# KiCad board Bongo-Cat-Fidget-Toy-panel.kicad_pcb
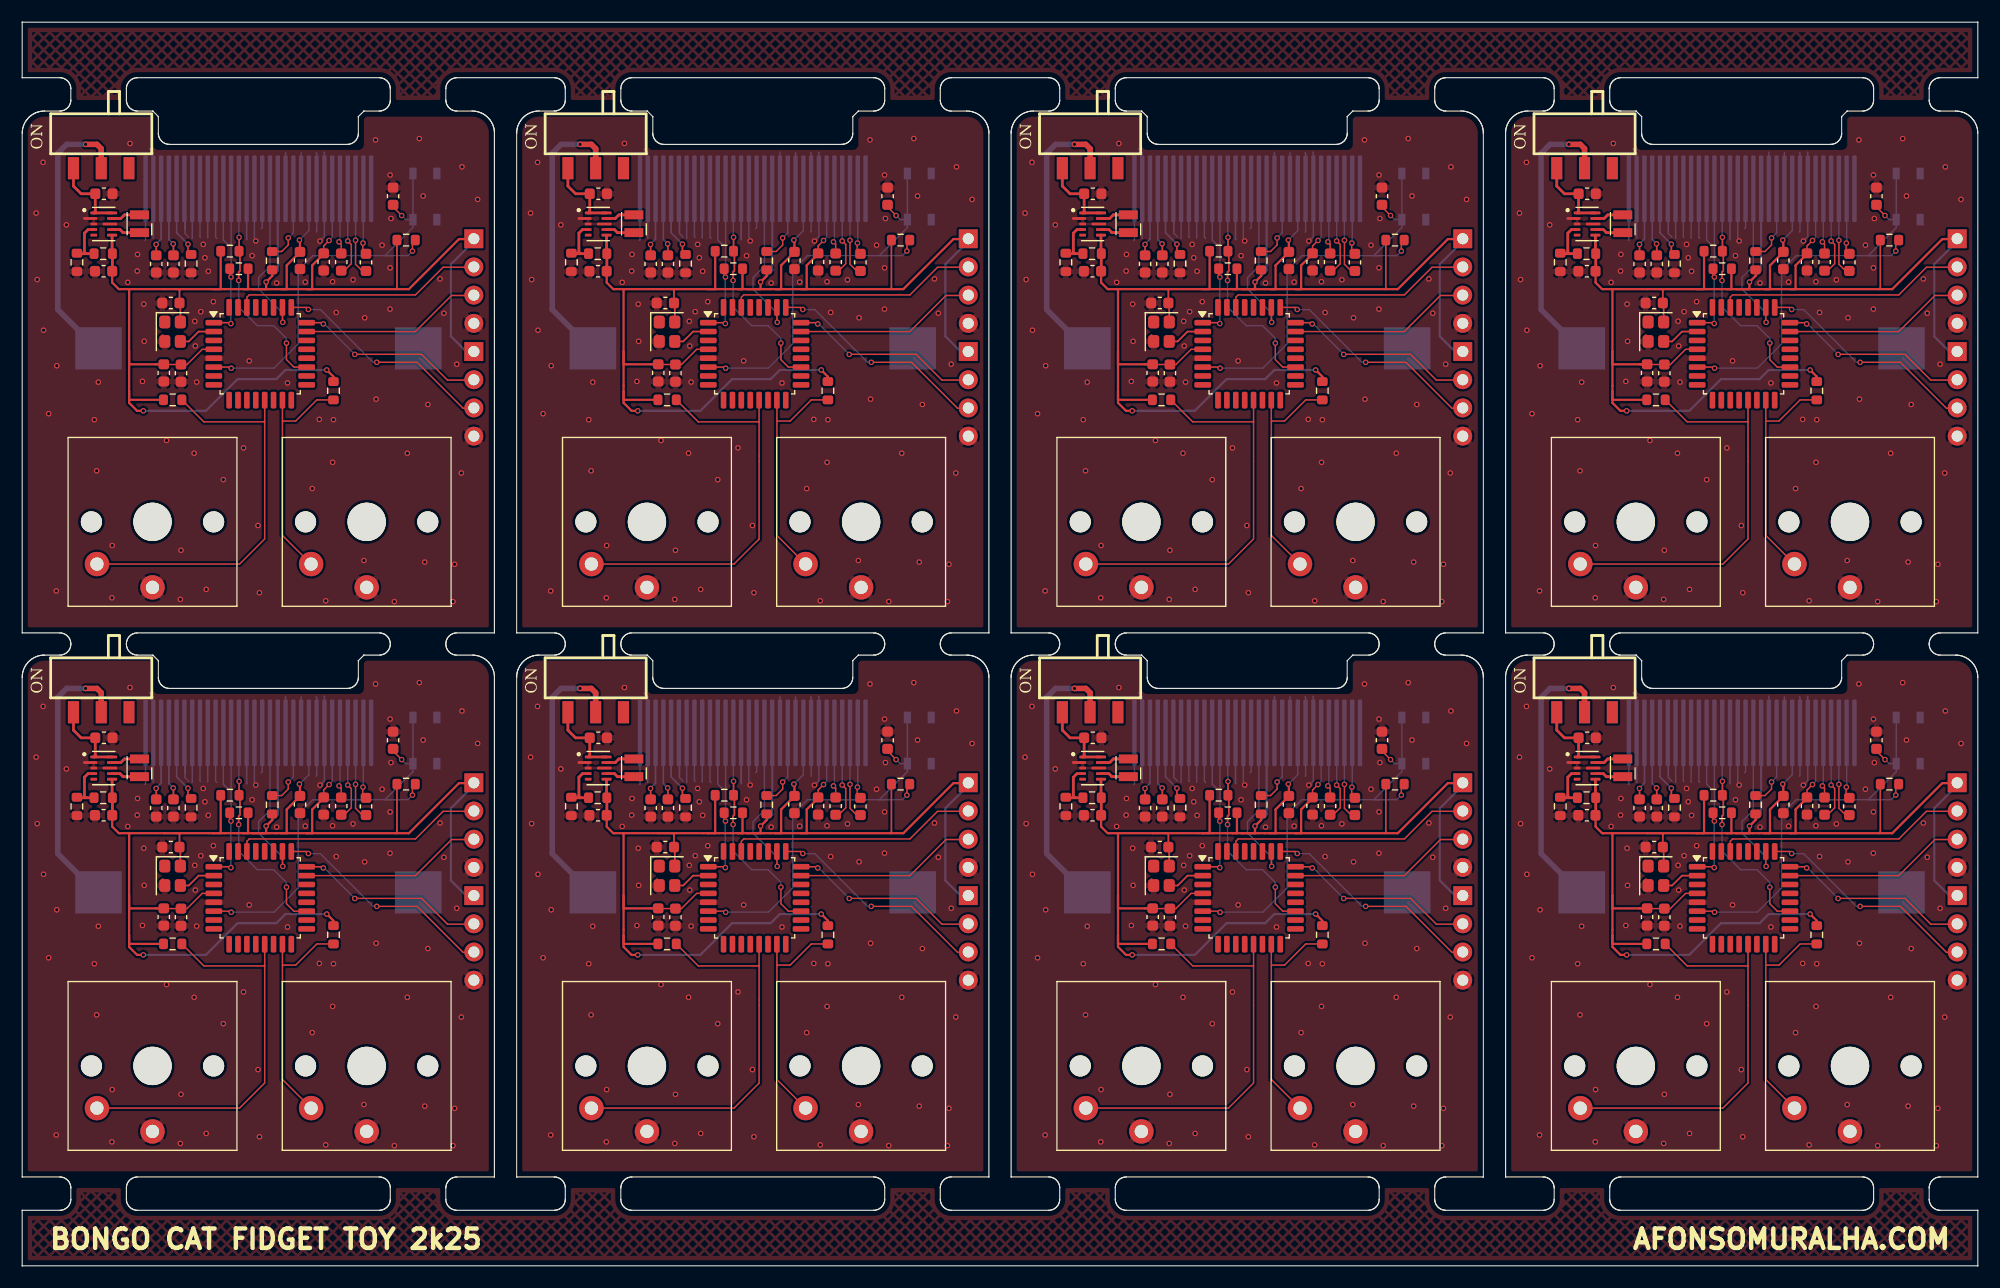
[diagram p0: board, top side]
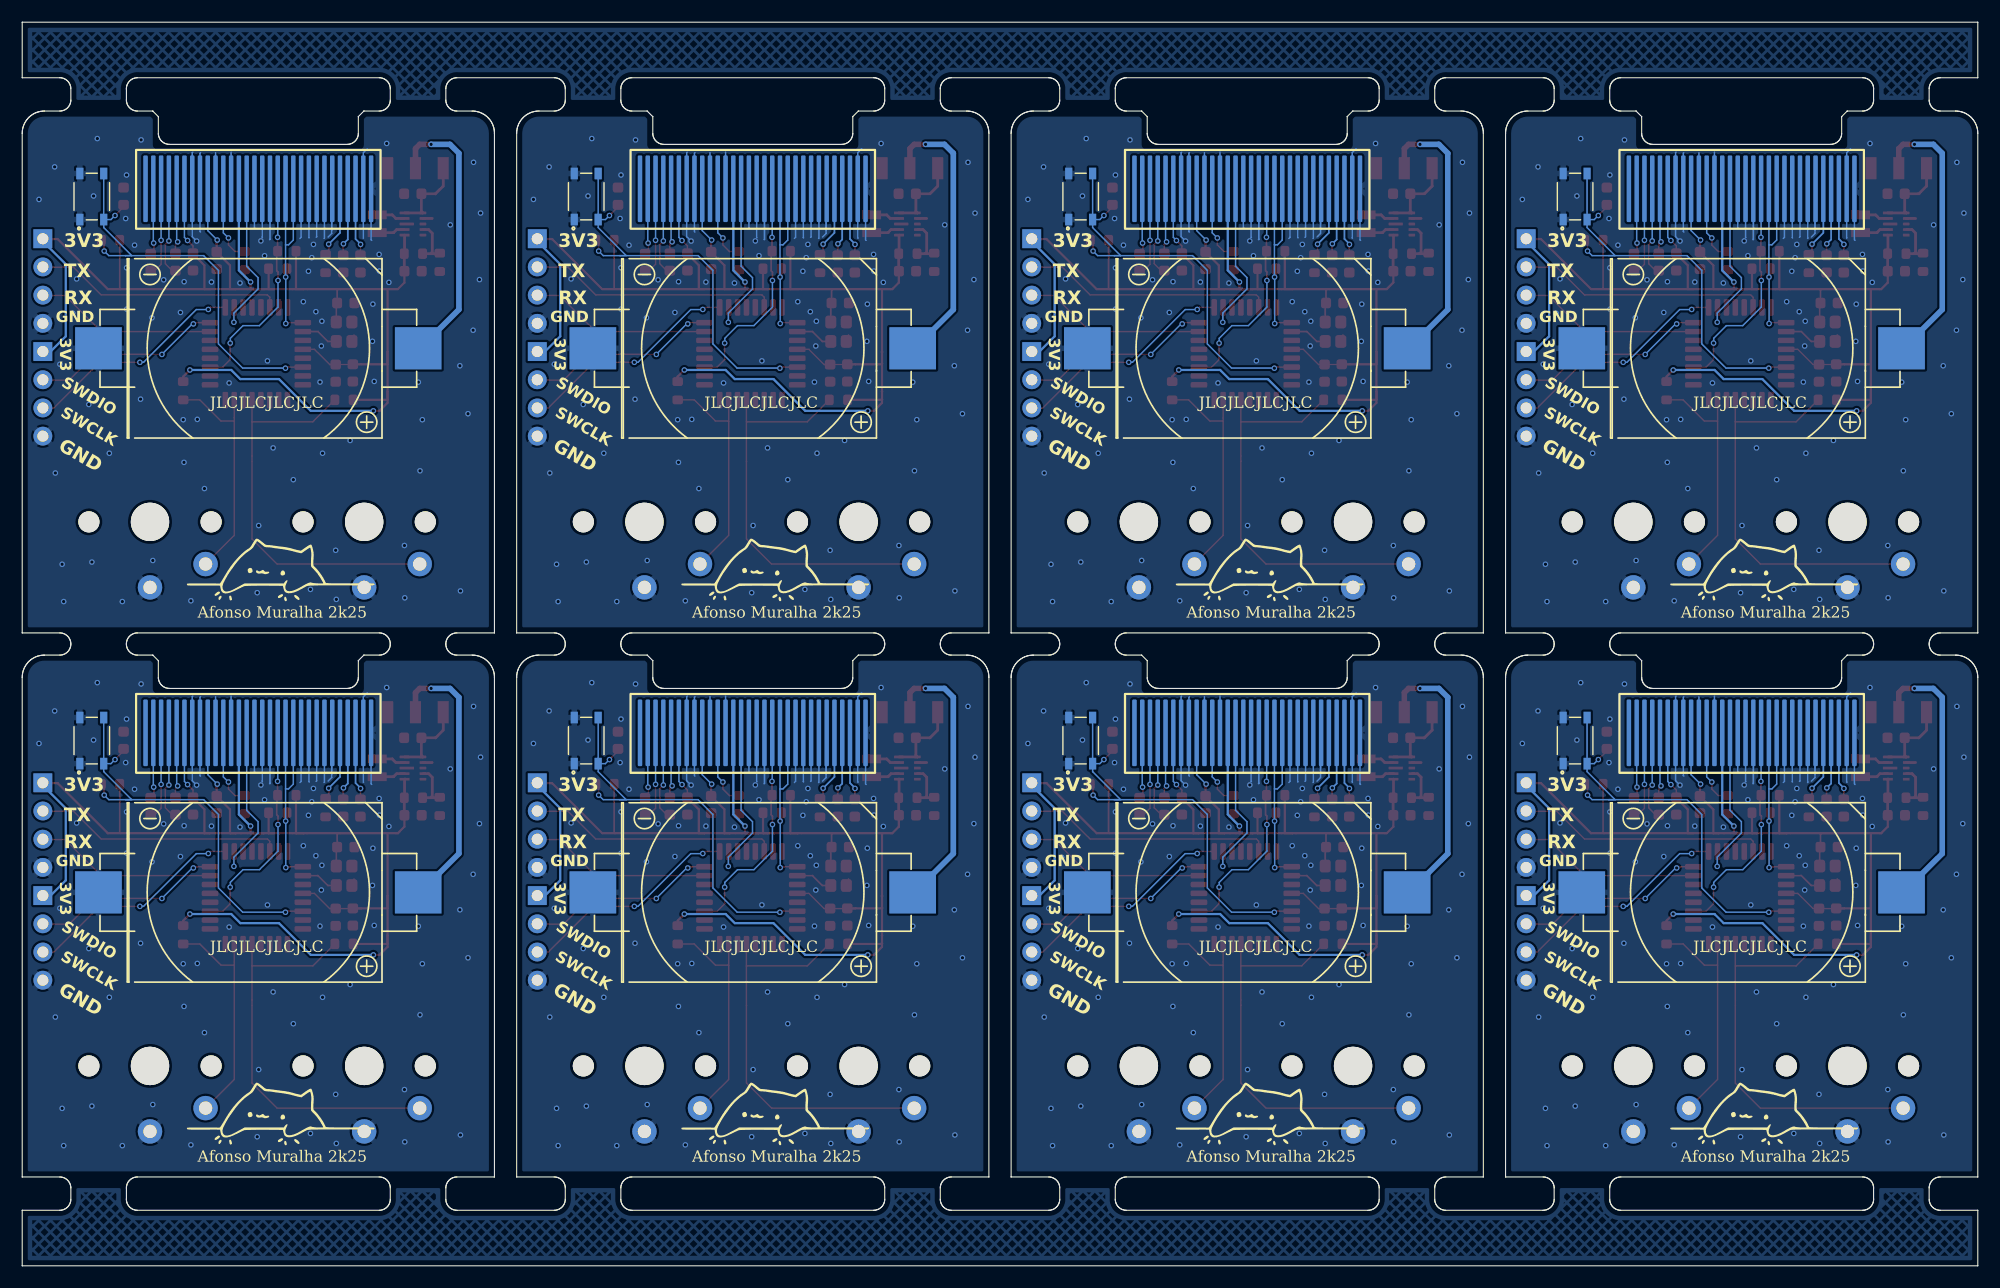
[diagram p1: board, bottom side, seen from below]

Outline 176 x 112 mm; copper layers: Top, Bottom. Coordinates in mm from the lower left corner of the outline.
Stack: Top 0.035mm / dielectric 1.51mm FR4 er 4.5 / Bottom 0.035mm

## Placement (name value [footprint] x y rotation side)
BT1  Battery  [BAT-TH_CR2032-BS-6-1]  154.75 33.63 180 bottom
BT1#2  Battery  [BAT-TH_CR2032-BS-6-1]  110.25 33.63 180 bottom
BT1#3  Battery  [BAT-TH_CR2032-BS-6-1]  110.25 82.63 180 bottom
BT1#4  Battery  [BAT-TH_CR2032-BS-6-1]  21.25 82.63 180 bottom
BT1#5  Battery  [BAT-TH_CR2032-BS-6-1]  154.75 82.63 180 bottom
BT1#6  Battery  [BAT-TH_CR2032-BS-6-1]  65.75 33.63 180 bottom
BT1#7  Battery  [BAT-TH_CR2032-BS-6-1]  21.25 33.63 180 bottom
BT1#8  Battery  [BAT-TH_CR2032-BS-6-1]  65.75 82.63 180 bottom
C1  10u  [C_0603_1608Metric]  140.85 47.55 0 top
C1#2  10u  [C_0603_1608Metric]  51.85 47.55 0 top
C1#3  10u  [C_0603_1608Metric]  96.35 96.55 0 top
C1#4  10u  [C_0603_1608Metric]  140.85 96.55 0 top
C1#5  10u  [C_0603_1608Metric]  96.35 47.55 0 top
C1#6  10u  [C_0603_1608Metric]  7.35 47.55 0 top
C1#7  10u  [C_0603_1608Metric]  7.35 96.55 0 top
C1#8  10u  [C_0603_1608Metric]  51.85 96.55 0 top
C2  22u  [C_0603_1608Metric]  96.32 89.58 180 top
C2#2  22u  [C_0603_1608Metric]  7.33 89.58 180 top
C2#3  22u  [C_0603_1608Metric]  7.33 40.58 180 top
C2#4  22u  [C_0603_1608Metric]  96.32 40.58 180 top
C2#5  22u  [C_0603_1608Metric]  51.83 40.58 180 top
C2#6  22u  [C_0603_1608Metric]  140.82 40.58 180 top
C2#7  22u  [C_0603_1608Metric]  51.83 89.58 180 top
C2#8  22u  [C_0603_1608Metric]  140.82 89.58 180 top
C3  100nF  [C_0603_1608Metric]  58.79 31.4 270 top
C3#2  100nF  [C_0603_1608Metric]  14.29 31.4 270 top
C3#3  100nF  [C_0603_1608Metric]  58.79 80.4 270 top
C3#4  100nF  [C_0603_1608Metric]  147.79 31.4 270 top
C3#5  100nF  [C_0603_1608Metric]  147.79 80.4 270 top
C3#6  100nF  [C_0603_1608Metric]  103.29 31.4 270 top
C3#7  100nF  [C_0603_1608Metric]  14.29 80.4 270 top
C3#8  100nF  [C_0603_1608Metric]  103.29 80.4 270 top
C4  4.7uF  [C_0603_1608Metric]  12.74 80.42 270 top
C4#2  4.7uF  [C_0603_1608Metric]  146.24 80.42 270 top
C4#3  4.7uF  [C_0603_1608Metric]  101.74 80.42 270 top
C4#4  4.7uF  [C_0603_1608Metric]  12.74 31.42 270 top
C4#5  4.7uF  [C_0603_1608Metric]  57.24 31.42 270 top
C4#6  4.7uF  [C_0603_1608Metric]  146.24 31.42 270 top
C4#7  4.7uF  [C_0603_1608Metric]  57.24 80.42 270 top
C4#8  4.7uF  [C_0603_1608Metric]  101.74 31.42 270 top
C5  100nF  [C_0603_1608Metric]  33.38 47.33 90 top
C5#2  100nF  [C_0603_1608Metric]  33.38 96.33 90 top
C5#3  100nF  [C_0603_1608Metric]  77.88 47.33 90 top
C5#4  100nF  [C_0603_1608Metric]  77.88 96.33 90 top
C5#5  100nF  [C_0603_1608Metric]  122.38 96.33 90 top
C5#6  100nF  [C_0603_1608Metric]  166.88 47.33 90 top
C5#7  100nF  [C_0603_1608Metric]  122.38 47.33 90 top
C5#8  100nF  [C_0603_1608Metric]  166.88 96.33 90 top
C6  100n  [C_0603_1608Metric]  13.38 86.71 180 top  (not fitted)
C6#2  100n  [C_0603_1608Metric]  57.88 86.71 180 top  (not fitted)
C6#3  100n  [C_0603_1608Metric]  13.38 37.71 180 top  (not fitted)
C6#4  100n  [C_0603_1608Metric]  57.88 37.71 180 top  (not fitted)
C6#5  100n  [C_0603_1608Metric]  146.88 37.71 180 top  (not fitted)
C6#6  100n  [C_0603_1608Metric]  102.38 37.71 180 top  (not fitted)
C6#7  100n  [C_0603_1608Metric]  102.38 86.71 180 top  (not fitted)
C6#8  100n  [C_0603_1608Metric]  146.88 86.71 180 top  (not fitted)
C8  2.2u  [C_0603_1608Metric]  28.71 90.4 270 top
C8#2  2.2u  [C_0603_1608Metric]  117.71 90.4 270 top
C8#3  2.2u  [C_0603_1608Metric]  28.71 41.4 270 top
C8#4  2.2u  [C_0603_1608Metric]  73.21 41.4 270 top
C8#5  2.2u  [C_0603_1608Metric]  117.71 41.4 270 top
C8#6  2.2u  [C_0603_1608Metric]  162.21 41.4 270 top
C8#7  2.2u  [C_0603_1608Metric]  73.21 90.4 270 top
C8#8  2.2u  [C_0603_1608Metric]  162.21 90.4 270 top
C9  2.2u  [C_0603_1608Metric]  119.94 90.37 90 top
C9#2  2.2u  [C_0603_1608Metric]  30.94 90.37 90 top
C9#3  2.2u  [C_0603_1608Metric]  75.44 41.37 90 top
C9#4  2.2u  [C_0603_1608Metric]  164.44 90.37 90 top
C9#5  2.2u  [C_0603_1608Metric]  119.94 41.37 90 top
C9#6  2.2u  [C_0603_1608Metric]  30.94 41.37 90 top
C9#7  2.2u  [C_0603_1608Metric]  75.44 90.37 90 top
C9#8  2.2u  [C_0603_1608Metric]  164.44 41.37 90 top
C10  2.2u  [C_0603_1608Metric]  71.63 41.41 90 top
C10#2  2.2u  [C_0603_1608Metric]  71.63 90.41 90 top
C10#3  2.2u  [C_0603_1608Metric]  27.13 90.41 90 top
C10#4  2.2u  [C_0603_1608Metric]  27.13 41.41 90 top
C10#5  2.2u  [C_0603_1608Metric]  116.13 41.41 90 top
C10#6  2.2u  [C_0603_1608Metric]  160.63 41.41 90 top
C10#7  2.2u  [C_0603_1608Metric]  116.13 90.41 90 top
C10#8  2.2u  [C_0603_1608Metric]  160.63 90.41 90 top
C11  2.2u  [C_0603_1608Metric]  158.5 90.54 90 top
C11#2  2.2u  [C_0603_1608Metric]  114 41.54 90 top
C11#3  2.2u  [C_0603_1608Metric]  25 41.54 90 top
C11#4  2.2u  [C_0603_1608Metric]  69.5 90.54 90 top
C11#5  2.2u  [C_0603_1608Metric]  114 90.54 90 top
C11#6  2.2u  [C_0603_1608Metric]  25 90.54 90 top
C11#7  2.2u  [C_0603_1608Metric]  158.5 41.54 90 top
C11#8  2.2u  [C_0603_1608Metric]  69.5 41.54 90 top
C12  4.7u  [C_0603_1608Metric]  102.61 90.23 90 top
C12#2  4.7u  [C_0603_1608Metric]  13.61 41.23 90 top
C12#3  4.7u  [C_0603_1608Metric]  102.61 41.23 90 top
C12#4  4.7u  [C_0603_1608Metric]  147.11 41.23 90 top
C12#5  4.7u  [C_0603_1608Metric]  13.61 90.23 90 top
C12#6  4.7u  [C_0603_1608Metric]  147.11 90.23 90 top
C12#7  4.7u  [C_0603_1608Metric]  58.11 90.23 90 top
C12#8  4.7u  [C_0603_1608Metric]  58.11 41.23 90 top
C13  2.2u  [C_0603_1608Metric]  145.56 90.23 90 top
C13#2  2.2u  [C_0603_1608Metric]  56.56 90.23 90 top
C13#3  2.2u  [C_0603_1608Metric]  56.56 41.23 90 top
C13#4  2.2u  [C_0603_1608Metric]  101.06 41.23 90 top
C13#5  2.2u  [C_0603_1608Metric]  12.06 90.23 90 top
C13#6  2.2u  [C_0603_1608Metric]  12.06 41.23 90 top
C13#7  2.2u  [C_0603_1608Metric]  145.56 41.23 90 top
C13#8  2.2u  [C_0603_1608Metric]  101.06 90.23 90 top
G***  -  [LOGO]  108.61 13.14 165 bottom
G***#2  -  [LOGO]  153.11 62.14 165 bottom
G***#3  -  [LOGO]  19.61 62.14 165 bottom
G***#4  -  [LOGO]  19.61 13.14 165 bottom
G***#5  -  [LOGO]  64.11 13.14 165 bottom
G***#6  -  [LOGO]  108.61 62.14 165 bottom
G***#7  -  [LOGO]  153.11 13.14 165 bottom
G***#8  -  [LOGO]  64.11 62.14 165 bottom
J1  Conn_01x30  [sh1106-1.3inch-oled]  21.25 97 180 bottom
J1#2  Conn_01x30  [sh1106-1.3inch-oled]  110.25 48 180 bottom
J1#3  Conn_01x30  [sh1106-1.3inch-oled]  21.25 48 180 bottom
J1#4  Conn_01x30  [sh1106-1.3inch-oled]  65.75 48 180 bottom
J1#5  Conn_01x30  [sh1106-1.3inch-oled]  154.75 97 180 bottom
J1#6  Conn_01x30  [sh1106-1.3inch-oled]  65.75 97 180 bottom
J1#7  Conn_01x30  [sh1106-1.3inch-oled]  110.25 97 180 bottom
J1#8  Conn_01x30  [sh1106-1.3inch-oled]  154.75 48 180 bottom
J2  Conn_01x04  [PinHeader_1x04_P2.54mm_Horizontal]  174.15 82.34 0 top
J2#2  Conn_01x04  [PinHeader_1x04_P2.54mm_Horizontal]  129.65 82.34 0 top
J2#3  Conn_01x04  [PinHeader_1x04_P2.54mm_Horizontal]  129.65 33.34 0 top
J2#4  Conn_01x04  [PinHeader_1x04_P2.54mm_Horizontal]  85.15 82.34 0 top
J2#5  Conn_01x04  [PinHeader_1x04_P2.54mm_Horizontal]  174.15 33.34 0 top
J2#6  Conn_01x04  [PinHeader_1x04_P2.54mm_Horizontal]  85.15 33.34 0 top
J2#7  Conn_01x04  [PinHeader_1x04_P2.54mm_Horizontal]  40.64 82.34 0 top
J2#8  Conn_01x04  [PinHeader_1x04_P2.54mm_Horizontal]  40.64 33.34 0 top
J3  Conn_01x04  [PinHeader_1x04_P2.54mm_Horizontal]  85.15 43.5 0 top
J3#2  Conn_01x04  [PinHeader_1x04_P2.54mm_Horizontal]  129.65 92.5 0 top
J3#3  Conn_01x04  [PinHeader_1x04_P2.54mm_Horizontal]  174.15 43.5 0 top
J3#4  Conn_01x04  [PinHeader_1x04_P2.54mm_Horizontal]  129.65 43.5 0 top
J3#5  Conn_01x04  [PinHeader_1x04_P2.54mm_Horizontal]  40.64 43.5 0 top
J3#6  Conn_01x04  [PinHeader_1x04_P2.54mm_Horizontal]  40.64 92.5 0 top
J3#7  Conn_01x04  [PinHeader_1x04_P2.54mm_Horizontal]  85.15 92.5 0 top
J3#8  Conn_01x04  [PinHeader_1x04_P2.54mm_Horizontal]  174.15 92.5 0 top
L102  0.47uH  [L_Wurth_WE-LQSH-2010]  99.55 44.85 270 top
L102#2  0.47uH  [L_Wurth_WE-LQSH-2010]  144.05 44.85 270 top
L102#3  0.47uH  [L_Wurth_WE-LQSH-2010]  10.55 93.85 270 top
L102#4  0.47uH  [L_Wurth_WE-LQSH-2010]  55.05 93.85 270 top
L102#5  0.47uH  [L_Wurth_WE-LQSH-2010]  144.05 93.85 270 top
L102#6  0.47uH  [L_Wurth_WE-LQSH-2010]  10.55 44.85 270 top
L102#7  0.47uH  [L_Wurth_WE-LQSH-2010]  55.05 44.85 270 top
L102#8  0.47uH  [L_Wurth_WE-LQSH-2010]  99.55 93.85 270 top
R1  100k  [R_0603_1608Metric]  147.04 28.99 0 top
R1#2  100k  [R_0603_1608Metric]  147.04 77.99 0 top
R1#3  100k  [R_0603_1608Metric]  13.54 28.99 0 top
R1#4  100k  [R_0603_1608Metric]  102.54 77.99 0 top
R1#5  100k  [R_0603_1608Metric]  58.04 77.99 0 top
R1#6  100k  [R_0603_1608Metric]  13.54 77.99 0 top
R1#7  100k  [R_0603_1608Metric]  102.54 28.99 0 top
R1#8  100k  [R_0603_1608Metric]  58.04 28.99 0 top
R2  100k  [R_0603_1608Metric]  28.01 78.81 270 top
R2#2  100k  [R_0603_1608Metric]  72.51 29.81 270 top
R2#3  100k  [R_0603_1608Metric]  161.51 78.81 270 top
R2#4  100k  [R_0603_1608Metric]  72.51 78.81 270 top
R2#5  100k  [R_0603_1608Metric]  117.01 78.81 270 top
R2#6  100k  [R_0603_1608Metric]  161.51 29.81 270 top
R2#7  100k  [R_0603_1608Metric]  117.01 29.81 270 top
R2#8  100k  [R_0603_1608Metric]  28.01 29.81 270 top
R4  91k  [R_0603_1608Metric]  4.92 41.38 270 top
R4#2  91k  [R_0603_1608Metric]  138.43 90.38 270 top
R4#3  91k  [R_0603_1608Metric]  93.93 90.38 270 top
R4#4  91k  [R_0603_1608Metric]  49.42 41.38 270 top
R4#5  91k  [R_0603_1608Metric]  93.93 41.38 270 top
R4#6  91k  [R_0603_1608Metric]  4.92 90.38 270 top
R4#7  91k  [R_0603_1608Metric]  49.42 90.38 270 top
R4#8  91k  [R_0603_1608Metric]  138.43 41.38 270 top
R6  511k  [R_0603_1608Metric]  96.29 42.16 180 top
R6#2  511k  [R_0603_1608Metric]  96.29 91.16 180 top
R6#3  511k  [R_0603_1608Metric]  51.79 91.16 180 top
R6#4  511k  [R_0603_1608Metric]  140.79 91.16 180 top
R6#5  511k  [R_0603_1608Metric]  140.79 42.16 180 top
R6#6  511k  [R_0603_1608Metric]  7.29 42.16 180 top
R6#7  511k  [R_0603_1608Metric]  7.29 91.16 180 top
R6#8  511k  [R_0603_1608Metric]  51.79 42.16 180 top
R8  100k  [R_0603_1608Metric]  123.55 92.38 0 top
R8#2  100k  [R_0603_1608Metric]  34.55 92.38 0 top
R8#3  100k  [R_0603_1608Metric]  123.55 43.38 0 top
R8#4  100k  [R_0603_1608Metric]  168.05 92.38 0 top
R8#5  100k  [R_0603_1608Metric]  34.55 43.38 0 top
R8#6  100k  [R_0603_1608Metric]  168.05 43.38 0 top
R8#7  100k  [R_0603_1608Metric]  79.05 92.38 0 top
R8#8  100k  [R_0603_1608Metric]  79.05 43.38 0 top
R11  390k  [R_0603_1608Metric]  15.2 41.26 90 top
R11#2  390k  [R_0603_1608Metric]  148.7 90.26 90 top
R11#3  390k  [R_0603_1608Metric]  15.2 90.26 90 top
R11#4  390k  [R_0603_1608Metric]  59.7 41.26 90 top
R11#5  390k  [R_0603_1608Metric]  148.7 41.26 90 top
R11#6  390k  [R_0603_1608Metric]  104.2 90.26 90 top
R11#7  390k  [R_0603_1608Metric]  59.7 90.26 90 top
R11#8  390k  [R_0603_1608Metric]  104.2 41.26 90 top
R12  4.7k  [R_0603_1608Metric]  19.5 89.8 0 top
R12#2  4.7k  [R_0603_1608Metric]  64 40.8 0 top
R12#3  4.7k  [R_0603_1608Metric]  153 89.8 0 top
R12#4  4.7k  [R_0603_1608Metric]  153 40.8 0 top
R12#5  4.7k  [R_0603_1608Metric]  108.5 89.8 0 top
R12#6  4.7k  [R_0603_1608Metric]  19.5 40.8 0 top
R12#7  4.7k  [R_0603_1608Metric]  64 89.8 0 top
R12#8  4.7k  [R_0603_1608Metric]  108.5 40.8 0 top
R13  4.7k  [R_0603_1608Metric]  63.19 42.38 180 top
R13#2  4.7k  [R_0603_1608Metric]  18.69 42.38 180 top
R13#3  4.7k  [R_0603_1608Metric]  152.19 42.38 180 top
R13#4  4.7k  [R_0603_1608Metric]  18.69 91.38 180 top
R13#5  4.7k  [R_0603_1608Metric]  107.69 91.38 180 top
R13#6  4.7k  [R_0603_1608Metric]  107.69 42.38 180 top
R13#7  4.7k  [R_0603_1608Metric]  152.19 91.38 180 top
R13#8  4.7k  [R_0603_1608Metric]  63.19 91.38 180 top
R101  100k  [R_0603_1608Metric]  22.5 41.53 270 top
R101#2  100k  [R_0603_1608Metric]  111.5 90.53 270 top
R101#3  100k  [R_0603_1608Metric]  22.5 90.53 270 top
R101#4  100k  [R_0603_1608Metric]  156 90.53 270 top
R101#5  100k  [R_0603_1608Metric]  67 90.53 270 top
R101#6  100k  [R_0603_1608Metric]  156 41.53 270 top
R101#7  100k  [R_0603_1608Metric]  67 41.53 270 top
R101#8  100k  [R_0603_1608Metric]  111.5 41.53 270 top
SW1  SW_Push  [SW_Kailh_Choc_V1_1.00u]  11.72 67 180 top
SW1#2  SW_Push  [SW_Kailh_Choc_V1_1.00u]  145.22 18 180 top
SW1#3  SW_Push  [SW_Kailh_Choc_V1_1.00u]  100.72 18 180 top
SW1#4  SW_Push  [SW_Kailh_Choc_V1_1.00u]  56.22 18 180 top
SW1#5  SW_Push  [SW_Kailh_Choc_V1_1.00u]  56.22 67 180 top
SW1#6  SW_Push  [SW_Kailh_Choc_V1_1.00u]  145.22 67 180 top
SW1#7  SW_Push  [SW_Kailh_Choc_V1_1.00u]  100.72 67 180 top
SW1#8  SW_Push  [SW_Kailh_Choc_V1_1.00u]  11.72 18 180 top
SW2  SW_Push  [SW_Kailh_Choc_V1_1.00u]  75.5 67 180 top
SW2#2  SW_Push  [SW_Kailh_Choc_V1_1.00u]  31 18 180 top
SW2#3  SW_Push  [SW_Kailh_Choc_V1_1.00u]  164.5 67 180 top
SW2#4  SW_Push  [SW_Kailh_Choc_V1_1.00u]  164.5 18 180 top
SW2#5  SW_Push  [SW_Kailh_Choc_V1_1.00u]  75.5 18 180 top
SW2#6  SW_Push  [SW_Kailh_Choc_V1_1.00u]  31 67 180 top
SW2#7  SW_Push  [SW_Kailh_Choc_V1_1.00u]  120 67 180 top
SW2#8  SW_Push  [SW_Kailh_Choc_V1_1.00u]  120 18 180 top
SW3  SW_MEC_5E  [SW_SKRPACE010]  36.24 96.3 90 bottom
SW3#2  SW_MEC_5E  [SW_SKRPACE010]  169.74 96.3 90 bottom
SW3#3  SW_MEC_5E  [SW_SKRPACE010]  80.74 47.3 90 bottom
SW3#4  SW_MEC_5E  [SW_SKRPACE010]  80.74 96.3 90 bottom
SW3#5  SW_MEC_5E  [SW_SKRPACE010]  36.24 47.3 90 bottom
SW3#6  SW_MEC_5E  [SW_SKRPACE010]  169.74 47.3 90 bottom
SW3#7  SW_MEC_5E  [SW_SKRPACE010]  125.24 96.3 90 bottom
SW3#8  SW_MEC_5E  [SW_SKRPACE010]  125.24 47.3 90 bottom
SW5  SW_SPDT_321  [SW-SMD_SK-3245S-L1-A-1]  96.11 98.85 0 top
SW5#2  SW_SPDT_321  [SW-SMD_SK-3245S-L1-A-1]  7.11 98.85 0 top
SW5#3  SW_SPDT_321  [SW-SMD_SK-3245S-L1-A-1]  96.11 49.85 0 top
SW5#4  SW_SPDT_321  [SW-SMD_SK-3245S-L1-A-1]  51.61 98.85 0 top
SW5#5  SW_SPDT_321  [SW-SMD_SK-3245S-L1-A-1]  140.61 98.85 0 top
SW5#6  SW_SPDT_321  [SW-SMD_SK-3245S-L1-A-1]  51.61 49.85 0 top
SW5#7  SW_SPDT_321  [SW-SMD_SK-3245S-L1-A-1]  7.11 49.85 0 top
SW5#8  SW_SPDT_321  [SW-SMD_SK-3245S-L1-A-1]  140.61 49.85 0 top
U1  STM32G030K8Tx  [LQFP-32_7x7mm_P0.8mm]  154.92 33.14 0 top
U1#2  STM32G030K8Tx  [LQFP-32_7x7mm_P0.8mm]  21.42 33.14 0 top
U1#3  STM32G030K8Tx  [LQFP-32_7x7mm_P0.8mm]  21.42 82.14 0 top
U1#4  STM32G030K8Tx  [LQFP-32_7x7mm_P0.8mm]  154.92 82.14 0 top
U1#5  STM32G030K8Tx  [LQFP-32_7x7mm_P0.8mm]  110.42 82.14 0 top
U1#6  STM32G030K8Tx  [LQFP-32_7x7mm_P0.8mm]  65.92 82.14 0 top
U1#7  STM32G030K8Tx  [LQFP-32_7x7mm_P0.8mm]  65.92 33.14 0 top
U1#8  STM32G030K8Tx  [LQFP-32_7x7mm_P0.8mm]  110.42 33.14 0 top
U101  TPS63802DLAR  [VREG_TPS63802DLAR]  140.84 93.83 0 top
U101#2  TPS63802DLAR  [VREG_TPS63802DLAR]  7.34 44.83 0 top
U101#3  TPS63802DLAR  [VREG_TPS63802DLAR]  140.84 44.83 0 top
U101#4  TPS63802DLAR  [VREG_TPS63802DLAR]  51.84 93.83 0 top
U101#5  TPS63802DLAR  [VREG_TPS63802DLAR]  51.84 44.83 0 top
U101#6  TPS63802DLAR  [VREG_TPS63802DLAR]  7.34 93.83 0 top
U101#7  TPS63802DLAR  [VREG_TPS63802DLAR]  96.34 44.83 0 top
U101#8  TPS63802DLAR  [VREG_TPS63802DLAR]  96.34 93.83 0 top
Y1  Crystal_GND24_Small  [Crystal_SMD_2520-4Pin_2.5x2.0mm]  58.03 35.13 270 top  (not fitted)
Y1#2  Crystal_GND24_Small  [Crystal_SMD_2520-4Pin_2.5x2.0mm]  102.53 35.13 270 top  (not fitted)
Y1#3  Crystal_GND24_Small  [Crystal_SMD_2520-4Pin_2.5x2.0mm]  147.03 35.13 270 top  (not fitted)
Y1#4  Crystal_GND24_Small  [Crystal_SMD_2520-4Pin_2.5x2.0mm]  102.53 84.13 270 top  (not fitted)
Y1#5  Crystal_GND24_Small  [Crystal_SMD_2520-4Pin_2.5x2.0mm]  58.03 84.13 270 top  (not fitted)
Y1#6  Crystal_GND24_Small  [Crystal_SMD_2520-4Pin_2.5x2.0mm]  147.03 84.13 270 top  (not fitted)
Y1#7  Crystal_GND24_Small  [Crystal_SMD_2520-4Pin_2.5x2.0mm]  13.53 84.13 270 top  (not fitted)
Y1#8  Crystal_GND24_Small  [Crystal_SMD_2520-4Pin_2.5x2.0mm]  13.53 35.13 270 top  (not fitted)

## Library data of the parts
BT1 BT1#2-BT1#8 = -: Description: Multiple-cell battery; LCSC: C70377
C1 C1#2-C1#8 = -: LCSC: C95839
C2 C2#2-C2#8 = -: LCSC: C59461
C3 C3#2-C3#8 C5 C5#2-C5#8 = -: LCSC: C30926
C4 C4#2-C4#8 = -: LCSC: C1705
C6 C6#2-C6#8 = -: Description: Unpolarized capacitor, small symbol; LCSC: C30926
C8 C8#2-C8#8 C9 C9#2-C9#8 C10 C10#2-C10#8 C11 C11#2-C11#8 C12 C12#2-C12#8 C13 C13#2-C13#8 = -: LCSC: C23630
J1 J1#2-J1#8 = -: Description: Generic connector, single row, 01x30, script generated (kicad-library-utils/schlib/autogen/connector/)
J2 J2#2-J2#8 J3 J3#2-J3#8 = -: Description: Generic connector, single row, 01x04, script generated (kicad-library-utils/schlib/autogen/connector/); LCSC: C91552
L102 L102#2-L102#8 = -: Description: Inductor; LCSC: C89446
R1 R1#2-R1#8 R2 R2#2-R2#8 R8 R8#2-R8#8 R101 R101#2-R101#8 = -: Description: Resistor, small US symbol; LCSC: C25803
R4 R4#2-R4#8 = -: Description: Resistor, small US symbol; LCSC: C326721
R6 R6#2-R6#8 = -: Description: Resistor, small US symbol; LCSC: C2684557
R11 R11#2-R11#8 = -: Description: Resistor, small US symbol; LCSC: C23150
R12 R12#2-R12#8 R13 R13#2-R13#8 = -: Description: Resistor, small US symbol; LCSC: C23162
SW1 SW1#2-SW1#8 SW2 SW2#2-SW2#8 = -: Description: Push button switch, generic, two pins
SW3 SW3#2-SW3#8 = -: Datasheet: http://www.apem.com/int/index.php?controller=attachment&id_attachment=1371; Description: C139797; LCSC: C139797
SW5 SW5#2-SW5#8 = -: Description: Switch, single pole double throw; LCSC: C405951
U1 U1#2-U1#8 = -: Datasheet: https://www.st.com/resource/en/datasheet/stm32g030k8.pdf; Description: STMicroelectronics Arm Cortex-M0+ MCU, 64KB flash, 8KB RAM, 64 MHz, 2.0-3.6V, 29 GPIO, LQFP32; LCSC: C724044
U101 U101#2-U101#8 = -: MF: Texas Instruments; MAXIMUM_PACKAGE_HEIGHT: 1.0 mm; Package: VSON-HR-10 Texas Instruments; Price: None; Check_prices: https://www.snapeda.com/parts/TPS63802DLAR/Texas+Instruments/view-part/?ref=eda; STANDARD: Manufacturer Recommendations; PARTREV: B; SnapEDA_Link: https://www.snapeda.com/parts/TPS63802DLAR/Texas+Instruments/view-part/?ref=snap; Purchase-URL: https://www.snapeda.com/api/url_track_click_mouser/?unipart_id=4449206&manufacturer=Texas Instruments&part_name=TPS63802DLAR&search_term=tps63802; Description_1: 2-A, high-efficient, 11-µA quiescent current buck-boost converter in QFN/DFN package; Availability: In Stock; MANUFACTURER: Texas Instruments; LCSC: C2845237
Y1 Y1#2-Y1#8 = -: Description: Four pin crystal, GND on pins 2 and 4, small symbol; LCSC: C7429729

## Footprints (pads in the part's own frame, mm; a bottom-side part is the same pattern mirrored in y, then rotated)
BAT-TH_CR2032-BS-6-1
  rect 4.2x3.8 smd: 1(14.39,0) 2(-14.39,0)
C_0603_1608Metric
  rrect 0.9x0.95 smd: 1(-0.775,0) 2(0.775,0)
Crystal_SMD_2520-4Pin_2.5x2.0mm
  rrect 1.15x1 smd: 1(-0.875,-0.7) 2(0.875,-0.7) 3(0.875,0.7) 4(-0.875,0.7)
L_Wurth_WE-LQSH-2010
  rect 0.8x1.7 smd: 1(-0.8,0) 2(0.8,0)
LQFP-32_7x7mm_P0.8mm
  rrect 1.5x0.5 smd: 1(-4.175,2.8) 2(-4.175,2) 3(-4.175,1.2) 4(-4.175,0.4) 5(-4.175,-0.4) 6(-4.175,-1.2) 7(-4.175,-2) 8(-4.175,-2.8) 17(4.175,-2.8) 18(4.175,-2) 19(4.175,-1.2) 20(4.175,-0.4) 21(4.175,0.4) 22(4.175,1.2) 23(4.175,2) 24(4.175,2.8)
  rrect 0.5x1.5 smd: 9(-2.8,-4.175) 10(-2,-4.175) 11(-1.2,-4.175) 12(-0.4,-4.175) 13(0.4,-4.175) 14(1.2,-4.175) 15(2,-4.175) 16(2.8,-4.175) 25(2.8,4.175) 26(2,4.175) 27(1.2,4.175) 28(0.4,4.175) 29(-0.4,4.175) 30(-1.2,4.175) 31(-2,4.175) 32(-2.8,4.175)
PinHeader_1x04_P2.54mm_Horizontal
  rect 1.7x1.7 hole 1: 1(0,0)
  round 1.7 hole 1: 2(0,-2.54) 3(0,-5.08) 4(0,-7.62)
R_0603_1608Metric
  rrect 0.8x0.95 smd: 1(-0.825,0) 2(0.825,0)
sh1106-1.3inch-oled
  rrect 0.4x6 smd: 1(-10.15,0) 2(-9.45,0) 3(-8.75,0) 4(-8.05,0) 5(-7.35,0) 6(-6.65,0) 7(-5.95,0) 8(-5.25,0) 9(-4.55,0) 10(-3.85,0) 11(-3.15,0) 12(-2.45,0) 13(-1.75,0) 14(-1.05,0) 15(-0.35,0) 16(0.35,0) 17(1.05,0) 18(1.75,0) 19(2.45,0) 20(3.15,0) 21(3.85,0) 22(4.55,0) 23(5.25,0) 24(5.95,0) 25(6.65,0) 26(7.35,0) 27(8.05,0) 28(8.75,0) 29(9.45,0) 30(10.15,0)
SW-SMD_SK-3245S-L1-A-1
  rect 1x2 smd: 1(-2.5,0) 2(0,0) 3(2.5,0)
SW_Kailh_Choc_V1_1.00u
  round 1.9 hole 1.9 unplated: (-5.5,0) (5.5,0)
  round 3.45 hole 3.45 unplated: (0,0)
  round 2.2 hole 1.2: 1(0,5.9) 2(5,3.8)
SW_SKRPACE010
  rect 1.05x0.65 smd: 1(-2.075,1.075) 2(2.075,1.075) 3(-2.075,-1.075) 4(2.075,-1.075)
VREG_TPS63802DLAR
  rrect 0.6x0.25 smd: 1(-0.9,1) 2(-0.9,0.5) 3(-0.9,0) 4(-0.9,-0.5) 5(-0.9,-1)
  rrect 0.9x0.25 smd: 6(0.75,-1) 7(0.75,-0.5) 9(0.75,0.5) 10(0.75,1)
  rrect 1.3x0.25 smd: 8(0.55,0)
